# Altium PCB GN-1876-HI3519AV100_V1.PCBDOC (part 2 of 6)
Units mil, origin at the board's own origin, x right, y up, seen from the top; angles counter-clockwise.
Board outline 3755 x 2651.95 mil, 4 copper layers (Top Layer, Mid-Layer 1, Mid-Layer 2, Bottom Layer); 463 components, 378 nets, 2062 pads, 1225 vias.
Unrouted connection lines stored in the file: 13.
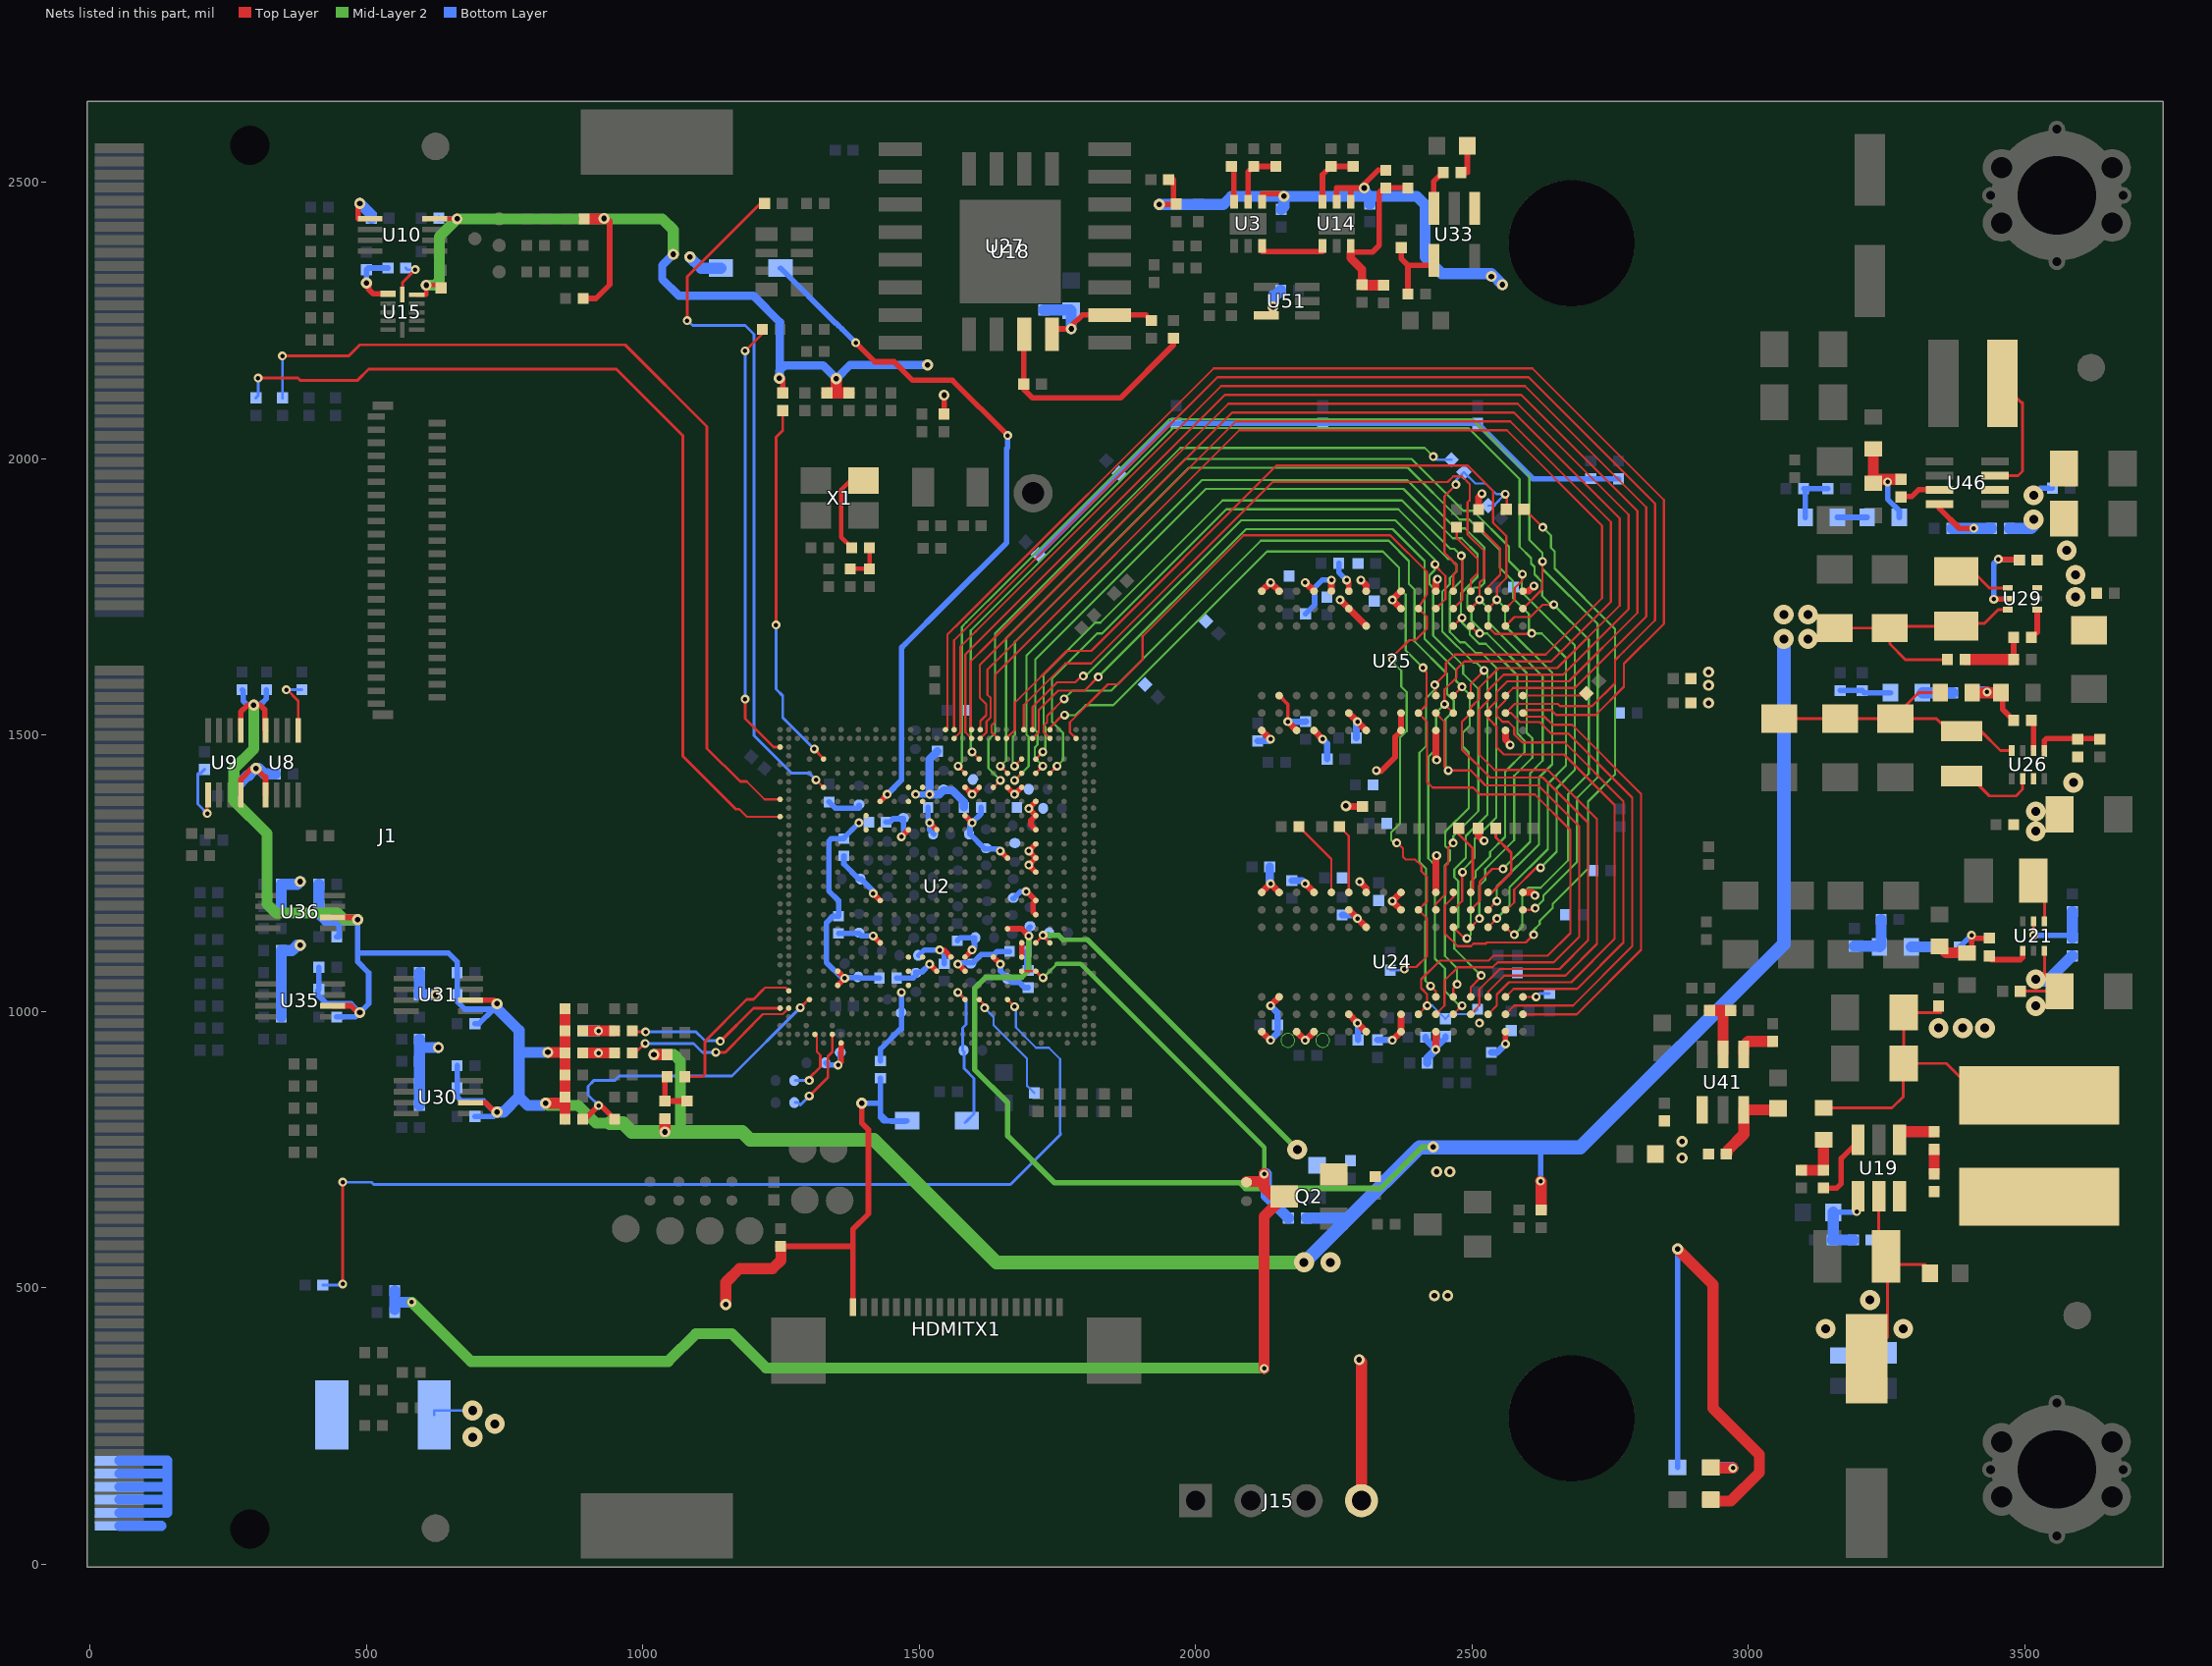
[diagram p4: the nets of this part, all layers, seen from the top]

## Via types
v1: diameter 16, hole 8, Top Layer to Bottom Layer, 733 vias
v2: diameter 20, hole 10, Top Layer to Bottom Layer, 362 vias
v3: diameter 18, hole 8, Top Layer to Bottom Layer, 100 vias
v4: diameter 36, hole 16, Top Layer to Bottom Layer, 30 vias

## Nets (pads, with @x,y where several pads share a name; then routed paths per layer and width w, separated by ;. In a path a pad name is that pad's centre, name@x,y a point inside that pad or via, vN(x,y) a via of type N, cw(c..) or ccw(c..) an arc to the next point about the centre after c; other vN are vias at no path point) (continued)
1V2: C44.1 C45.1 C46.1 C47.1 C63.1 C76.1 C160.1 C174.1 C180.1 C186.1 C198.1 C209.1 C214.1 C215.1 C216.1 C217.1 C218.1 C219.1 C224.1 C232.1 C233.1 C236.1 C274.1 C275.1 C276.1 C277.1 C278.1 C279.1 C280.1 C281.1 C282.1 C283.1 C284.1 C285.1 C286.1 C287.1 C289.1 C290.1 C306.1 C308.1 C309.1 C351.1 C352.1 C353.1 L10.2 LB3.1 R86.1 R243.1 R247.1 R248.1 R396.1 R398.1 R399.1 R404.1 U2.1C4 U2.1C5 U2.1C6 U2.1C7 U2.1C8 U2.1C9 U2.1C11 U2.1C12 U2.1D3 U2.1E3 U2.1G3 U2.1H3 U24.A1 U24.A9 U24.B3 U24.B9 U24.C1 U24.D1 U24.D9 U24.F2 U24.F8 U24.G1 U24.G7 U24.G9 U24.J1 U24.J2 U24.J8 U24.J9 U24.L1 U24.L9 U24.R1 U24.T9 U25.A1 U25.A9 U25.B3 U25.B9 U25.C1 U25.D1 U25.D9 U25.F2 U25.F8 U25.G1 U25.G7 U25.G9 U25.J1 U25.J2 U25.J8 U25.J9 U25.L1 U25.L9 U25.R1 U25.T9 U26.4 | length 3890
  Top Layer w5.1: C353.1@3056,1529.76 C352.1@3166,1529.76 C351.1@3266,1529.76 ; R86.1@3347,1576.76 3308,1576.76 3268,1536.76 3268,1531.76 C351.1@3266,1529.76 ; U26.4@3476.47,1472.29 3456,1472.29 3421.03,1507.26 L10.2@3386,1507.26 3383.1,1510.16 3359.6,1510.16 3340,1529.76 C351.1@3266,1529.76
  Top Layer w7: U25.B3@2151.16,1571.53 2166.91,1555.78 v1(2166.91,1524.28)
  Top Layer w10: U2.1H3@1582.87,1405.63 v1(1595.71,1392.8) 1608.46,1405.55 U2.1G3@1608.46,1405.63 ; U2.1E3@1659.64,1405.63 v1(1672.48,1392.8) 1685.23,1405.55 U2.1D3@1685.23,1405.63 ; v1(1693.33,1217.2) 1694.53,1217.2 U2.1C11@1710.82,1200.91 1706.1,1196.19 1706.1,1180.04 U2.1C12@1710.82,1175.32 ; U2.1C9@1710.82,1252.09 v1(1698.07,1264.85) 1710.82,1277.6 U2.1C8@1710.82,1277.68 v1(1698.07,1290.44) 1710.82,1303.19 U2.1C7@1710.82,1303.27 ; U2.1C6@1710.82,1328.86 1702,1337.68 1702,1345.63 U2.1C5@1710.82,1354.45 v1(1698.07,1367.2) 1710.82,1379.95 U2.1C4@1710.82,1380.04 ; v1(2327,1436.16) 2328.46,1434.7 2335.54,1434.7 2361,1460.16 2361,1497.16 2371.63,1507.79 U25.J1@2371.63,1508.54 U25.J2@2371.63,1540.03 ; v1(2560.6,941.28) U24.R1@2560.6,963.54
  Top Layer w12: U24.A1@2119.66,963.54 v1(2135.4,947.8) ; U25.A1@2119.66,1508.54 v1(2135.4,1492.8) ; U24.A9@2119.66,1215.5 v1(2135.42,1231.24) U24.B9@2151.16,1215.5 ; U25.A9@2119.66,1760.5 v1(2135.42,1776.24) U25.B9@2151.16,1760.5 ; v1(2135.42,1010.79) U24.B3@2151.16,1026.53 ; v1(2166.91,1524.28) U25.C1@2182.65,1508.54 ; U24.C1@2182.67,963.54 v1(2198.41,947.8) U24.D1@2214.15,963.54 ; v1(2198.41,1231.24) U24.D9@2214.15,1215.5 ; v1(2198.41,1776.24) U25.D9@2214.15,1760.5 ; U25.D1@2214.15,1508.54 v1(2229.89,1492.8) ; v1(2261.4,1744.75) U25.F8@2277.14,1729.01 U25.G7@2308.64,1697.51 ; v2(2272,1372) 2276,1372 2277.12,1370.88 R398.1@2302,1370.88 ; U24.F2@2277.14,995.03 v1(2292.88,979.29) U24.G1@2308.64,963.54 ; U24.F8@2277.14,1184.01 v1(2292.9,1168.25) U24.G7@2308.64,1152.51 ; U25.F2@2277.14,1540.03 v1(2292.88,1524.29) U25.G1@2308.64,1508.54 ; v1(2296.76,1234.95) 2308.64,1223.07 U24.G9@2308.64,1215.5 ; v1(2299.1,1780.7) 2308.64,1771.16 U25.G9@2308.64,1760.5 ; v1(2355.89,947.8) U24.J1@2371.63,963.54 U24.J2@2371.63,995.03 ; U24.J8@2371.63,1184.01 v1(2355.89,1199.75) U24.J9@2371.63,1215.5 ; U25.J8@2371.63,1729.01 v1(2355.89,1744.75) U25.J9@2371.63,1760.5 ; v1(2434.62,931.28) U24.L1@2434.62,963.54 ; U24.L9@2434.62,1215.5 2434.62,1280.78 v1(2436,1282.16) ; U25.L1@2434.62,1508.54 2434.62,1456.54 v1(2436,1455.16) ; U25.L9@2434.62,1760.5 2434.62,1779.16 v1(2437.62,1782.16) ; R399.1@2511.1,1331.28 2511.1,1318.64 2520.79,1308.95 v1(2521.79,1308.95) ; R404.1@2512.1,1908.28 2512.1,1931 v1(2518,1936.9) ; U25.R1@2560.6,1508.54 2560.6,1491.56 2569,1483.16 v1(2569,1482.16) ; U24.T9@2592.1,1215.5 2608.66,1215.5 v1(2614,1210.16) ; U25.T9@2592.1,1760.5 2602.34,1760.5 v1(2612,1770.16)
  Mid-Layer 2 w1: 2179.32,947.8 ccw(c2166.9,947.8) 2179.32,947.8 ; 2242.43,947.8 ccw(c2229.9,947.8) 2242.43,947.8
  Bottom Layer w10: C45.1@1670.07,1204.13 1670.82,1204.88 1683.14,1217.2 v1(1693.33,1217.2) ; C63.1@1715.31,1826.84 1861.81,1973.34 1952.47,2064 1965,2064 2230,2064 2509.84,2064 C209.1@2510,2064.16 2610.16,1964 C214.1@2715.16,1964 ; C214.1@2715,1964.16 C214.1@2715.16,1964 ; C224.1@2765,1964 C214.1@2715.16,1964
  Bottom Layer w12: C308.1@2112.1,1489.7 2132.3,1489.7 v1(2135.4,1492.8) ; v1(2135.4,947.8) 2148.1,960.5 C279.1@2148.1,975.7 2148.1,998.11 v1(2135.42,1010.79) ; v1(2166.91,1524.28) 2198.68,1524.28 C284.1@2199.1,1524.7 ; C274.1@2174.1,1236.7 2192.95,1236.7 v1(2198.41,1231.24) ; v1(2229.89,1492.8) 2238,1484.69 C282.1@2238,1456.9 ; C306.1@2265.1,1174.7 2286.45,1174.7 v1(2292.9,1168.25) ; C283.1@2291,1494.9 2291,1522.41 v1(2292.88,1524.29) ; v1(2292.88,979.29) 2294.1,978.07 C276.1@2294.1,948.7 ; C277.1@2329.15,948.64 2355.05,948.64 v1(2355.89,947.8) ; R248.1@2416,953.66 2416,949.9 v1(2434.62,931.28) 2434.62,934.78 2452.1,952.26 R243.1@2452.1,954.7 ; R396.1@2535,926.16 2545.48,926.16 v1(2560.6,941.28)
  Bottom Layer w15: C280.1@2134,1261.9 2134,1232.66 v1(2135.42,1231.24) ; C275.1@2419,906.9 2419,915.66 v1(2434.62,931.28)
  other v1: 2513.37,979.28
  other v2: 2928,1558.16 2928,1590.16 2928,1614.16
1V8: C18.1 C41.1 C42.1 C60.1 C77.1 C80.1 C151.1 C152.1 C154.1 C179.1 C182.1 C184.1 C191.1 C193.1 C207.1 C243.1 C258.1 C347.1 C348.1 C387.1 L9.2 LB4.1 LB21.1 LB23.1 LB45.1 LB51.1 LB55.1 LB57.1 R18.2 R22.2 R37.1 R118.1 R139.1 R194.1 R195.1 R196.1 R197.1 R269.1 R270.1 R271.1 R327.1 R328.1 R344.1 R345.1 R383.1 R384.1 R487.1 R490.1 R491.1 R497.1 R498.1 R499.1 R502.1 R503.1 R507.1 R508.1 R522.1 R523.1 R524.1 R525.1 U2.1D14 U2.1D15 U2.1E13 U2.1L3 U2.1L4 U2.1M3 U2.1M4 U2.1P6 U2.1R5 U2.1R6 U2.1U16 U2.1U17 U3.1 U8.8 U9.1 U10.8 U14.1 U14.2 U15.11 U18.8 U27.2 U29.6 U30.2 U31.2 U33.1 U35.2 U36.2 U51.5 | length 12227.3
  Top Layer w5.1: C348.1@3156,1693.76 C347.1@3256,1693.76 ; R487.1@3360,1636.76 3284,1636.76 3256,1664.76 C347.1@3256,1693.76 ; U29.6@3469.43,1727.07 3452,1727.07 3427.09,1702.16 3381.02,1702.16 L9.2@3376,1697.14 C347.1@3262.38,1697.14 ; C347.1@3256,1693.76 3259,1693.76 C347.1@3262.38,1697.14 ; C347.1@3256,1693.76 3259.38,1697.14 C347.1@3262.38,1697.14
  Top Layer w8: U15.11@591,2296.66 608,2296.66 v2(608,2314.16) 630,2314.16 C207.1@635,2309.16 ; U10.8@623.41,2434.69 663.47,2434.69 v2(664,2434.16)
  Top Layer w10: U9.1@272.53,1508.57 272.53,1542.16 284.53,1554.16 308,1554.16 316,1546.16 316,1510.04 U8.8@317.47,1508.57 ; U35.2@438.41,1010.32 472,1010.32 484.16,998.16 v2(488,998.16) ; U36.2@438.41,1170.32 479.84,1170.32 v2(484,1166.16) ; U30.2@688.41,835.32 715,835.32 730.32,820 734.16,820 v2(736,818.16) ; U31.2@688.41,1020.32 729.84,1020.32 v2(736,1014.16) ; R194.1@892,2290.16 915,2290.16 940,2315.16 940,2430 935,2435 v2(930,2435) ; v2(1247,2146) 1252,2146 1253,2145 R328.1@1253,2119.16 ; U2.1U17@1352.56,1047.37 v1(1365.36,1060.17) U2.1U16@1352.56,1072.96 ; R384.1@1545,2081.16 v2(1545,2115.16) ; U2.1E13@1659.64,1149.73 1685.2,1149.73 v1(1698,1136.93) ; U2.1D15@1685.23,1098.55 U2.1D14@1685.23,1124.14 ; U18.8@1740,2225.55 1749.45,2235 v2(1775,2235) 1775,2240.16 1795,2260.16 U27.2@1844.47,2260.16 1910,2260.16 R344.1@1920,2250.16 ; v2(1934,2460) 1960.16,2460 1960.15,2461.14 1960,2505.16 R345.1@1951,2505.16 ; U3.1@2120.59,2465.22 2120.59,2480 2155,2480 v2(2160,2475) ; U51.5@2128,2259.57 2137.8,2259.57 2137.8,2272.8 v2(2140,2275) ; U14.2@2255,2465.22 2255,2490 2280.59,2490 ; U14.1@2280.59,2465.22 2280.59,2490 ; R37.1@2344,2522.16 2330,2522.16 2305,2497.16 v2(2305,2490) 2280.59,2490 ; R497.1@2480,2518.16 2491.5,2518.16 C258.1@2491.5,2566.16
  Top Layer w20: v2(824,834.16) 859,834.16 ; v2(828,926.16) 858,926.16 R383.1@859,925.16 ; R270.1@859,805.16 859,834.16 ; R522.1@859,1005.16 R269.1@859,965.16 R383.1@859,925.16 ; R195.1@894,2434.16 929.16,2434.16 v2(930,2435) ; v2(1020,922.16) R525.1@1044,922.16 ; v2(1040,782.16) R271.1@1040,806.16 ; R139.1@1333,2119.16 1350,2119.16 ; v2(1350,2145) 1350,2119.16 ; R197.1@1373,2119.16 1350,2119.16 ; v1(2624,693.16) 2625,692.16 R18.2@2625,641.16 ; 859,834.16 R523.1@859,845.16 R524.1@859,885.16 R383.1@859,925.16
  Mid-Layer 2 w10: v1(1698,1136.93) 1698,1075 1685,1062 1620,1062 1600,1042 1600,895 1660,835 1660,775 1745,690 2080,690 2090,680 2335,680 2410,755 v2(2430,755)
  Mid-Layer 2 w20: v2(296,1554.16) 296,1475 260,1439 260,1382.16 320,1322.16 320,1194.16 336,1178.16 448,1178.16 460,1166.16 v2(484,1166.16) ; v2(608,2314.16) 624,2314.16 632,2322.16 632,2402.16 v2(664,2434.16) 1035,2434.16 1055,2414.16 v2(1055,2370) ; v2(824,834.16) 828.16,830 883.16,830 915,798.16 940,798.16 ; v2(1020,922.16) 1056,922.16 1068,910.16 1068,782.16
  Mid-Layer 2 w25: 940,798.16 964,798.16 980,782.16 v2(1040,782.16) 1068,782.16 1180,782.16 1194,768.16 1418,768.16 1640,546.16 v4(2196,546.16)
  Bottom Layer w4: v2(1247,2146) v2@1247.5,2146.73
  Bottom Layer w10: C152.1@275,1582.16 277,1580.16 277,1562.16 284,1555.16 308,1555.16 319,1566.16 C151.1@319,1582.16 ; R502.1@414,1080.16 R503.1@414,1040.16 412,1038.16 412,1030.16 428,1014.16 472,1014.16 v2(488,998.16) ; R508.1@414,1190.16 414,1170.16 424,1160.16 445,1160.16 ; C191.1@446,990.16 480,990.16 v2(488,998.16) ; C193.1@446,1135.16 450,1135.16 450,1155.16 445,1160.16 ; C154.1@631,2435.16 632,2434.16 v2(664,2434.16) ; R490.1@664,902.16 R491.1@664,862.16 664,846.16 672,838.16 712,838.16 v2@730,820.16 ; C182.1@696,810.16 730,810.16 v2@730,820.16 ; C184.1@696,978.16 704,978.16 730,1004.16 ; v2(736,818.16) 732,818.16 v2@730,820.16 ; v2(736,1014.16) 736,1010.16 730,1004.16 ; R196.1@1337,1379.16 1348,1368.16 1391.1,1368.16 C60.1@1391.1,1373.2 ; v1(1390.99,1341.62) 1363.6,1314.23 LB23.1@1363.6,1312.8 1341,1312.8 1336.32,1308.12 1336.32,1218.48 1354,1200.8 LB57.1@1354,1172.4 1343.6,1172.4 1332,1160.8 1332,1088.81 1360.64,1060.17 v1(1365.36,1060.17) 1366.81,1061.62 1389.12,1061.62 1390.18,1061.62 1391.1,1060.7 LB45.1@1428.1,1060.7 ; LB21.1@1697.1,1074.2 1694.6,1076.7 LB51.1@1694.6,1108.8 1698,1112.2 v1(1698,1136.93) 1698,1150.53 C243.1@1700.48,1153.01 ; v1(2624,693.16) 2624,754.16 ; 445,1160.16 478,1160.16 v2(484,1166.16) 484,1106.16 ; 484,1106.16 484,1090.16 504,1070.16 504,1014.16 v2(488,998.16) ; 484,1106.16 648,1106.16 664,1090.16 R498.1@664,1070.16 R499.1@664,1030.16 664,1018.16 678,1004.16 730,1004.16
  Bottom Layer w12: v1(1493.35,1392.8) v1(1493.35,1392.8) v1(1518.9,1392.84)
  Bottom Layer w15: v2(1055,2370) 1035,2350 1035,2325 1065,2295 1200,2295 1248.25,2246.75 1247.5,2246 1247.5,2159.5 ; v2(1247,2146) 1247,2159 1247.5,2159.5 ; v2@1247.5,2146.73 1247.5,2159.5 ; v2(1515,2170) 1375,2170 v2(1350,2145) 1326,2169 1257,2169 1247.5,2159.5 ; R118.1@1533,1470.9 1518.9,1456.8 v1(1518.9,1392.84) 1536.58,1392.84 1543.97,1400.23 1559.67,1400.23 1580.87,1379.03 LB4.1@1580.87,1369.29
  Bottom Layer w20: R508.1@414,1190.16 R507.1@414,1230.16 ; v2(736,818.16) 748,818.16 776,846.16 ; v2@736,1010.16 736,1006.16 776,966.16 776,926.16 ; v2(824,834.16) 820,830.16 792,830.16 776,846.16 ; v2(828,926.16) 776,926.16 ; C80.1@1725,2269.16 1773.5,2269.16 C387.1@1775,2267.66 v2(1775,2235) ; v2(1934,2460) 2050,2460 2065,2475 v2(2160,2475) ; v2(2140,2275) 2140,2295 2144,2295 C42.1@2154,2305 ; C18.1@2155,2451.16 2160,2456.16 v2(2160,2475) ; R22.2@2200,626.16 2275,626.16 2276,625.16 ; v2(2305,2490) v2@2305,2485 ; C179.1@2315,2461.16 2315,2475 ; v2(2555,2315) 2537.5,2332.5 2535,2335 2445,2335 2415,2365 2415,2460 2400,2475 2315,2475 ; 776,846.16 776,926.16 ; v2(2160,2475) 2305,2475 v2@2305,2485 ; v2@2305,2485 2315,2475
  Bottom Layer w25: v4(2196,546.16) 2197,546.16 2276,625.16 2405,754.16 2624,754.16 2696,754.16 3064,1122.16 v4(3064,1674.16)
  other v2: 2535,2330
  other v4: 2244,546.16 3108,1674.16 3064,1718.16 3108,1718.16
3V3: C2.1 C8.1 C150.1 C153.1 C155.1 C204.1 C205.1 C211.1 C213.1 C223.1 C227.1 C262.1 C323.1 C335.1 C339.1 C342.1 C349.1 C354.1 C414.1 C448.1 C480.1 D8.2 D32.2 HDMITX1.1 J15.4 L8.2 LB46.1 LED1.1 Q2.2 R5.1 R11.1 R15.1 R27.2 R165.1 R170.1 R172.1 R254.2 R255.1 R256.1 R257.1 R258.1 R292.1 R488.1 R489.1 R492.1 R493.1 R500.1 R501.1 R504.1 R506.1 R545.2 U2.1B14 U2.1C14 U8.1 U9.8 U10.1 U15.1 U21.3 U26.7 U29.3 U41.1 U46.2 | length 4760
  Top Layer w5.1: U2.1C14@1710.82,1124.14 1720.84,1134.16 v1@1724,1134.16 ; v1(1724,1138.16) v1@1724,1134.16 ; U2.1B14@1736.41,1124.14 1726.39,1134.16 v1@1724,1134.16 ; R545.2@3136,825.76 3260,825.76 3280,845.76 3280,905.16 C262.1@3281,906.16 ; 3348,998.16 3344,998.16 C323.1@3281,998.16 C262.1@3281,906.16 ; C205.1@3492,1036.76 C335.1@3563,1036.76 3555.69,1044.07 3555.69,1046.16 3535.69,1066.16 U21.3@3535.69,1110.19 ; L8.2@3526,848.3 3416,848.3 3358.14,906.16 C262.1@3281,906.16
  Top Layer w10: U9.8@272.53,1391.75 272.53,1420 292.53,1440 v2(300,1440) 315,1425 317.47,1425 U8.1@317.47,1391.75 ; v2(488,2462.16) 485,2459.16 485,2434.69 U10.1@506.59,2434.69 ; v2(500,2318.16) 504,2314.16 504,2306.66 512,2298.66 U15.1@539,2298.66 ; R254.2@1249,575.16 1380,575.16 ; HDMITX1.1@1380,465.16 1380,575.16 ; v2@1396,830.16 1396,798.16 1408,786.16 1408,634.16 1380,606.16 1380,575.16
  Top Layer w20: v2(1150,470) 1150,510 1175,535 1235,535 1250,550 1250,574.16 R254.2@1249,575.16 ; v2(2296,370.16) 2300,366.16 J15.4@2300,115.16 ; v2(2872,570.16) 2936,506.16 2936,282.16 3020,198.16 3020,166.16 2968,114.16 2935,114.16 LED1.1@2932,117.16
  Mid-Layer 2 w8: 1760,1130.16 1804,1130.16
  Mid-Layer 2 w10: v1(1724,1138.16) 1752,1138.16 1760,1130.16 ; 1804,1130.16 v4(2184,750.16)
  Bottom Layer w5.1: 1428,834.16 1428,819.16 1430,817.16 1445,802.16 1448,799.16 1475,799.16 D8.2@1478,802.16 ; LB46.1@1430,875.16 LB46.1@1430,879.66 ; v1(1724,1138.16) 1733.5,1138.16 C8.1@1733.5,1142.16
  Bottom Layer w10: v2(500,2318.16) C204.1@500,2342.16 503,2345.16 R27.2@539,2345.16 ; v2(1396,834.16) 1428,834.16 1430,836.16 ; LB46.1@1430,879.66 1430,836.16 ; D8.2@1478,802.16 1445,802.16 1436,802.16 1430,808.16 1430,817.16 1430,836.16 ; R5.1@2872,175.16 v2(2872,570.16) ; v4(3516,1934.16) 3528.6,1946.76 C211.1@3550,1946.76
  Bottom Layer w20: C150.1@263,1390.16 263,1405 285.5,1427.5 287.5,1427.5 v2(300,1440) 305.16,1440 315,1430.16 C153.1@335,1430.16 ; R257.1@346,990.16 R501.1@346,1030.16 R500.1@346,1070.16 R258.1@346,1110.16 365,1110.16 374.84,1120 v2(380,1120) ; R504.1@346,1190.16 R506.1@346,1230.16 375.16,1230.16 v2(380,1235) ; v2(488,2462.16) 509,2441.16 C155.1@509,2435.16 ; R255.1@596,830.16 R489.1@596,870.16 R488.1@596,910.16 596,935 ; R256.1@596,950.16 596,935 ; R492.1@596,1070.16 R493.1@596,1030.16 624.84,1030.16 v2(625,1030) ; v2(630,935) 596,935 ; v2(1085,2365) 1105,2345 D32.2@1141,2345 ; R292.1@3472,1874.16 3512,1874.16 3516,1878.16 v4(3516,1890.16) ; v4(3520,1058.16) 3523.4,1054.76 3540,1054.76 R172.1@3586,1100.76
  other v2: 2432,486.16 2456,486.16 2436,710.16 2460,710.16 2880,735 2880,765
  other v4: 3344,970.16 3388,970.16 3428,970.16 3520,1010.16 3520,1326.16 3520,1362.16 3588,1414.16 3592,1750.16 3592,1790.16 3576,1834.16
3V3RGMII: C61.1 Q2.3 R13.2 R14.2 R22.1 U2.1C16 U2.1D16 | length 2871.1
  Top Layer w4: U2.1D16@1685.23,1072.96 U2.1C16@1710.82,1072.96
  Top Layer w5.1: U2.1C16@1710.82,1072.96 1724,1059.78 v1(1724,1061.16) ; Q2.3@2138,668.16 2150,668.16 Q2.3@2152,666.16
  Top Layer w8: Q2.3@2152,666.16 2159,666.16 Q2.3@2160,665.16
  Top Layer w20: C61.1@2092,692.66 2124,692.66 ; v1(2124,354.16) 2124,629.16 Q2.3@2160,665.16 ; v1(2124,706.16) 2124,692.66 ; Q2.3@2138,668.16 2124,682.16 2124,692.66
  Mid-Layer 2 w5.1: v1(1724,1061.16) 1749,1086.16
  Mid-Layer 2 w8: 1749,1086.16 1792,1086.16 2124,754.16 v1(2124,706.16)
  Mid-Layer 2 w20: v1(582,474.16) 689,367.16 1046,367.16 1096,417.16 1161,417.16 1223,355.16 2123,355.16 v1(2124,354.16)
  Bottom Layer w5.1: R13.2@551,455.16 R13.2@551,461.16
  Bottom Layer w20: R13.2@551,461.16 551,474.16 ; R14.2@551,495.16 551,474.16 ; v1(582,474.16) 551,474.16 ; v1(2124,706.16) 2128,706.16 2128,666.16 R22.1@2168,626.16
12V0: C13.1 C196.1 C252.1 C254.1 C320.1 F1.2 R200.1 U19.5 | length 489.3
  Top Layer w5.1: C320.1@3214,371.92 3252,409.92 3252,553.76 C254.1@3249,556.76 ; U19.5@3236,665.58 3236,570.16 3264,542.16 3320,542.16 3328.5,533.66 C196.1@3328.5,526.76
  Bottom Layer w5.1: F1.2@622.5,270.16 622.5,278.16 v4(692,278.16)
  other v4: 692,230.16 732,254.16 3140,426.16 3280,426.16 3220,478.16
12V0IN: F1.1 J1.194 J1.196 J1.198 J1.200 J1.202 J1.204 | length 605.6
  Bottom Layer w18: J1.204@53,69.43 128.73,69.43 129,69.16 ; J1.202@53,93.05 140,93.05 140,116.68 ; J1.200@53,116.68 140,116.68 ; J1.198@53,140.3 140,140.3 ; J1.196@53,163.92 140,163.92 ; J1.194@53,187.54 140,187.54 140,163.92 ; 140,116.68 140,140.3 ; 140,140.3 140,163.92
$5N991: R163.2 U2.1F3 | length 1271.3
  Top Layer w4: U2.1F3@1634.05,1405.63 1634.14,1405.63 v1(1646.89,1418.38)
  Mid-Layer 2 w4: v1(1646.89,1418.38) 1625.1,1440.17 1625.1,1491.7 1637.1,1503.7 1637.1,1684.23 1972.57,2019.7 2414.46,2019.7 v1(2430,2004.16)
  Bottom Layer w4: v1(2430,2004.16) 2435.69,1998.47 R163.2@2462.69,1998.47
$6N16: R400.2 U24.N9 | length 127.5
  Top Layer w5: R400.2@2476.1,1331.28 2476.1,1320.06 2501,1295.16 2501,1218.89 U24.N9@2497.61,1215.5
$6N17: R401.2 U24.T3 | length 50.6
  Top Layer w4: U24.T3@2592.1,1026.53 v1(2615.9,1026.53)
  Bottom Layer w5.1: v1(2615.9,1026.53) 2622.07,1032.7 R401.2@2640.1,1032.7
$6N18: R399.2 U24.P9 | length 148.5
  Top Layer w5: U24.P9@2529.11,1215.5 2535.67,1215.5 2571,1250.83 2571,1287.16 2543.1,1315.06 R399.2@2543.1,1331.28
$6N19: R294.2 U24.F9 | length 126.3
  Top Layer w4: R294.2@2260.1,1334.7 2277.14,1317.66 U24.F9@2277.14,1215.5
$6N20: R402.2 U25.N9 | length 136.6
  Top Layer w4: R402.2@2472.1,1876.28 2472.37,1876.01 2472.37,1856.79 2510,1819.16 2510,1793.35 2497.61,1780.96 U25.N9@2497.61,1760.5
$6N21: R403.2 U25.T3 | length 116.4
  Top Layer w4: U25.T3@2592.1,1571.53 2702.93,1571.53 R403.2@2706.87,1575.46
$6N22: R404.2 U25.P9 | length 141
  Top Layer w4: R404.2@2512.1,1876.28 2551,1837.38 2551,1790.16 2529.11,1768.27 U25.P9@2529.11,1760.5
$6N23: R295.2 U25.F9 | length 57.9
  Top Layer w10: v1(2273.1,1780.7) 2277.14,1776.66 U25.F9@2277.14,1760.5
  Bottom Layer w10: R295.2@2259,1810.9 2259,1794.8 v1(2273.1,1780.7)
$6N2092: R168.1 U24.E9 | length 143.5
  Top Layer w4: R168.1@2187,1334.7 2245.64,1276.06 U24.E9@2245.64,1215.5
$6N2101: R169.1 U25.E9 | length 110.3
  Top Layer w12: U25.E9@2245.64,1760.5 v1(2245.64,1780.7)
  Bottom Layer w10: R169.1@2199,1719.75 2215.41,1736.16 2215.41,1767.31 2228.8,1780.7 v1(2245.64,1780.7)
$6N2923: R239.1 U24.M9 | length 1159.2
  Top Layer w4: U24.M9@2466.12,1215.5 2466.12,1207.28 2451,1192.16 2451,1141.16 2474,1118.16 2498,1118.16 2502.59,1122.75 2525.09,1122.75 2527.11,1124.77 2597.11,1124.77 v1(2611.5,1139.16) ; R239.1@2594,1908.9 2595.26,1908.9 v1(2628,1876.16)
  Mid-Layer 2 w4: v1(2611.5,1139.16) 2611.5,1147.16 2622.5,1158.16 2622.5,1164.02 2646,1187.52 2646,1194.9 2709.85,1258.75 2709.85,1380.01 2759,1429.16 2759,1692.16 2649.5,1801.66 2649.5,1832.48 2643,1838.98 2643,1861.16 v1(2628,1876.16)
$7N1221: R89.2 X1.3 | length 160
  Top Layer w8: R89.2@1378,1838.9 1359,1857.9 1359,1943.9 1375.5,1960.4 X1.3@1399.31,1960.4
$7N1222: C356.2 R32.1 R89.1 | length 73
  Top Layer w8: R32.1@1375,1800.9 C356.2@1410,1800.9 R89.1@1410,1838.9
$7N1556: R505.1 U2.AU3 | length 801.8
  Top Layer w5.1: v1(1185,1565.16) 1185,1530.16 1184.85,1530.01 1236.4,1478.47 U2.AU3@1248.23,1478.47 ; v1(1185,2195.16) 1216,2226.16 R505.1@1216,2234.16
  Bottom Layer w5.1: v1(1185,1565.16) v1(1185,2195.16)
$7N1573: R92.1 U2.1V3 | length 1296.2
  Top Layer w4: v1(1313,1419.16) 1313.44,1419.16 U2.1V3@1326.97,1405.63
  Top Layer w5.1: v1(1080,2250.16) 1080,2329.16 1213,2462.16 R92.1@1220,2462.16
  Bottom Layer w5.1: v1(1080,2250.16) 1081,2250.16 1090,2241.16 1185,2241.16 1201,2225.16 1201,1499.16 1269,1431.16 1301,1431.16 v1(1313,1419.16)
$7N2717: R328.2 U2.1V1 | length 670.6
  Top Layer w5.1: v1(1241,1699.16) 1241,2039.16 1253,2051.16 R328.2@1253,2087.16 ; v1(1310.01,1474.9) U2.1V1@1326.97,1456.81
  Bottom Layer w5.1: v1(1241,1699.16) 1241,1583.16 1253,1571.16 1253,1531.91 v1(1310.01,1474.9)
$8N3170: R53.1 U2.1E18 | length 1856.2
  Top Layer w4: U2.1E18@1659.64,1021.78 1659.64,1020.16 1661.27,1020.16 v1(1672.44,1008.99)
  Top Layer w5.1: v1(457,507.16) v1(457,691.16)
  Bottom Layer w4: v1(1672.44,1008.99) 1675,1006.43 1675,971.16 1711.5,934.66 1734.31,934.66 1755,913.97 1755,780.16
  Bottom Layer w5.1: R53.1@421,505.16 455,505.16 v1(457,507.16) ; v1(457,691.16) 509,691.16 513,687.16 1665,687.16 1755,777.16 1755,780.16